# Altium PCB CT310高端控制盒核心板电路V1.3.PcbDoc (part 8 of 10) (continued)
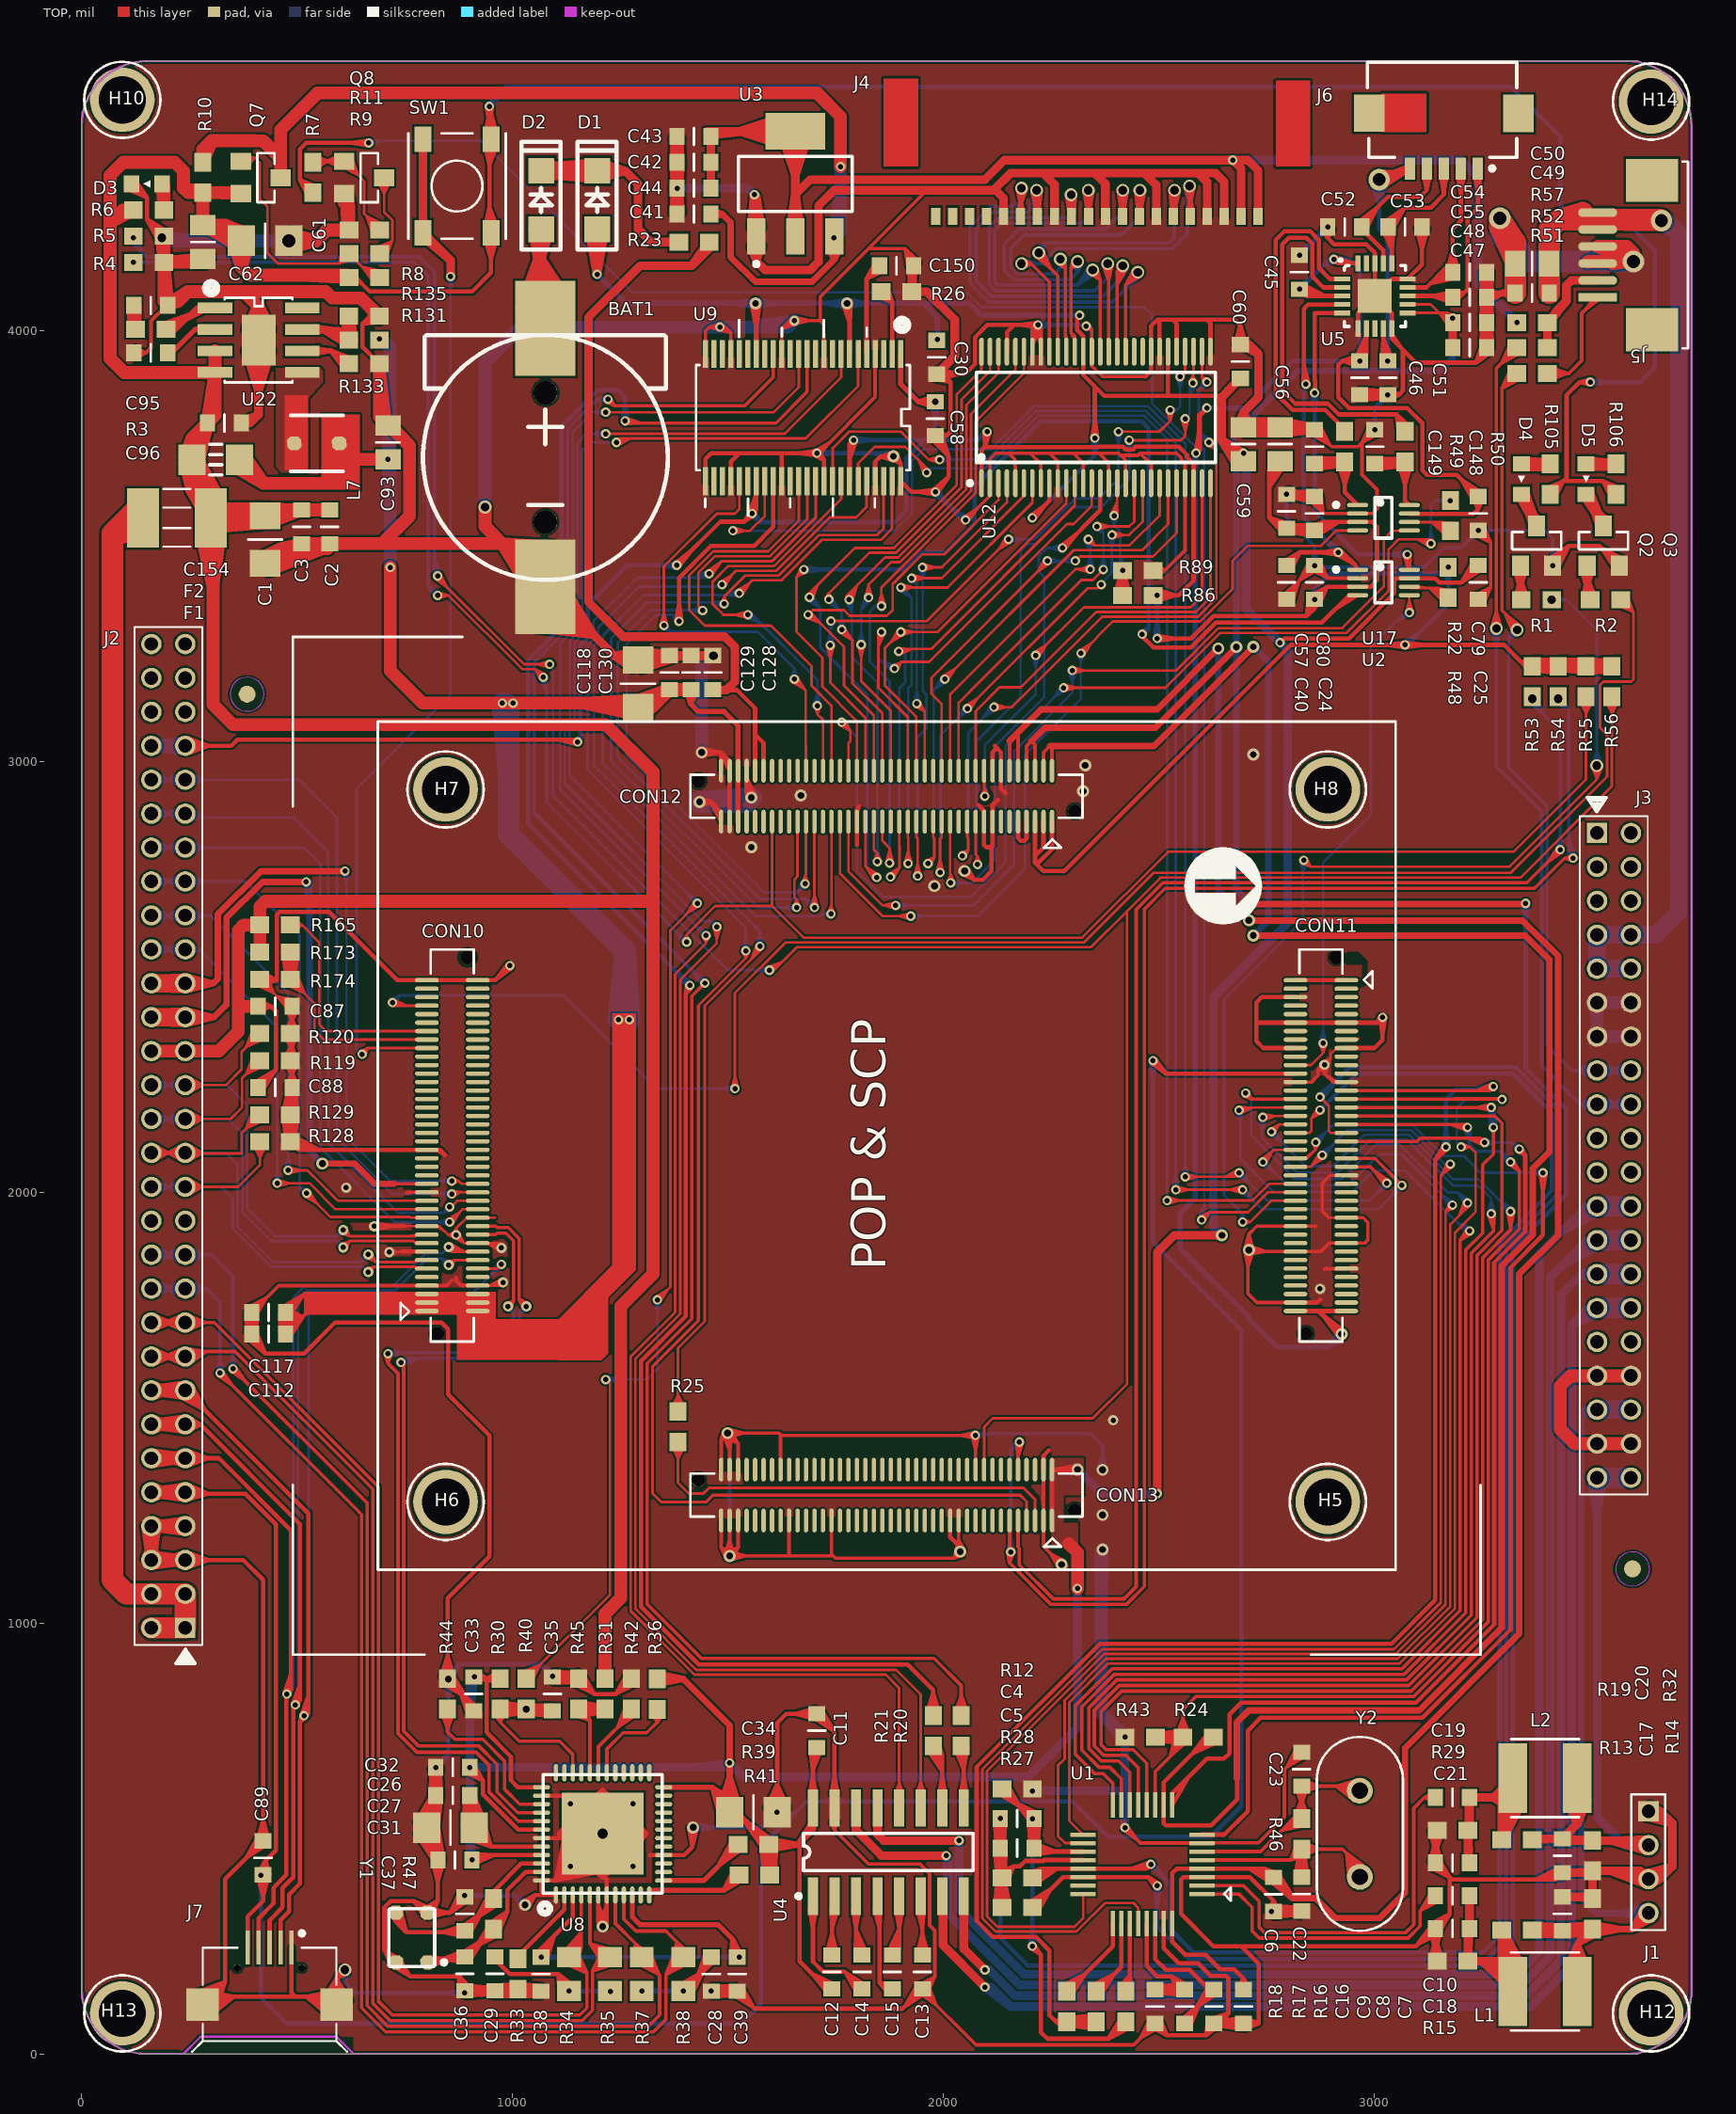
[diagram p0: TOP view]
## Nets (pads, with @x,y where several pads share a name; then routed paths per layer and width w, separated by ;. In a path a pad name is that pad's centre, name@x,y a point inside that pad or via, vN(x,y) a via of type N, cw(c..) or ccw(c..) an arc to the next point about the centre after c; other vN are vias at no path point) (continued)
  TOP w12: 1900,3876.78 U9.1@1900,3918.78 ; U9.1@1900,3945.28 1900,3875.76 1941.39,3834.37 ; C58.1@1976.96,3822.8 1941.39,3834.37 ; C58.1@1976.96,3845.94 1941.39,3834.37 ; C58.1@1978.79,3834.37 1941.39,3834.37 ; 1941.39,3834.37 v3(1980.76,3834.37) ; 1941.39,3834.37 C58.1@1979.95,3826.41 ; 1941.39,3834.37 C58.1@1979.95,3842.33 ; 1941.39,3834.37 C58.1@1979.95,3826.41 ; 1941.39,3834.37 C58.1@1979.95,3842.33 ; 1941.39,3834.37 v3(1980.76,3834.37) ; 1941.39,3834.37 C58.1@1979.95,3826.41 ; 1941.39,3834.37 C58.1@1979.95,3842.33 ; 1941.39,3834.37 v3(1980.76,3834.37) ; 1941.39,3834.37 C58.1@1979.95,3826.41 ; 1941.39,3834.37 C58.1@1979.95,3842.33 ; 1941.39,3834.37 v3(1980.76,3834.37)
  BOTTOM w10: J2.54@161.39,3035.88 J2.53@240.13,3035.88 ; J2.54@162.08,3027.29 215.01,3035.88 ; J2.54@162.08,3044.47 215.01,3035.88 ; J2.54@164.62,3017.54 215.01,3035.88 ; J2.54@164.62,3054.22 215.01,3035.88 ; J2.53@233.53,3018.47 185.17,3046.74 ; J2.53@233.53,3053.29 185.17,3025.02 ; J2.53@235.36,3017.88 186.12,3040.57 ; J2.53@235.36,3053.88 186.12,3031.19 ; J2.53@236.9,3017.54 186.51,3035.88 ; J2.53@236.9,3054.22 186.51,3035.88 ; J2.53@237.81,3027.58 185.17,3046.74 ; J2.53@237.81,3044.19 185.17,3025.02 ; J2.53@238.53,3017.33 186.12,3031.19 ; J2.53@238.53,3054.43 186.12,3040.57 ; J2.53@238.7,3027.38 186.12,3040.57 ; J2.53@238.7,3044.38 186.12,3031.19 ; J2.53@239.44,3027.29 186.51,3035.88 ; J2.53@239.44,3044.47 186.51,3035.88 ; J2.53@240.19,3027.26 186.12,3031.19 ; J2.53@240.19,3044.5 186.12,3040.57 ; J2.53@240.65,3017.27 185.17,3025.02 ; J2.53@240.65,3054.5 185.17,3046.74 ; J2.53@241.15,3027.32 185.17,3025.02 ; J2.53@241.15,3044.44 185.17,3046.74 ; v1(1150.76,3045) 1156.76,3051 1156.76,3269.73 1174.26,3287.23 1174.26,3363.5 1265.76,3455 v1(1380.76,3455) ; v1@1380.32,3449.02 1339.76,3455 v1@1380.32,3460.98 ; v1@1551.99,3570.33 1575.76,3555 ; v1(1555.76,3575) 1575.76,3555 ; v1@1560.43,3578.77 1575.76,3555 ; v1(1790.76,3745) 1955.51,3745 ; v1@1791.2,3739.02 1831.76,3745 v1@1791.2,3750.98 ; v3@1971.81,3833.45 1980.76,3790.37 v3@1989.71,3833.45 ; v3(1980.76,3834.37) 1980.76,3770.25 1955.51,3745 ; v1@2096.09,3768.77 2080.76,3745 ; v1@2104.53,3760.33 2080.76,3745 ; v1@2489.78,3285.44 2495.76,3326 v1@2501.74,3285.44 ; v1@2489.78,3384.56 2495.76,3344 v1@2501.74,3384.56 ; v1(2495.76,3285) v1(2495.76,3385) ; v1@2854.81,3376.37 2860.76,3400 ; v1(2860.76,3375.63) 2860.76,3400 ; v1@2866.71,3376.37 2860.76,3400 ; v1@3067.17,3274.8 3105.49,3299.73 ; v1@3074.95,3265.71 3105.49,3299.73 ; v1@3164.78,3449.99 3170.76,3409.43 ; v1@3165.94,3454.01 3156.33,3436 ; v1@3174.33,3445.61 3156.33,3436 ; v1@3176.74,3449.99 3170.76,3409.43 ; 185.17,3025.02 J2.53@240.13,3035.88 ; 185.17,3046.74 J2.53@240.13,3035.88 ; 186.12,3031.19 J2.53@240.13,3035.88 ; 186.12,3040.57 J2.53@240.13,3035.88 ; 215.01,3035.88 J2.53@233.23,3018.59 ; 215.01,3035.88 J2.53@233.23,3053.18 ; 215.01,3035.88 J2.53@238.65,3027.39 ; 215.01,3035.88 J2.53@238.65,3044.37 ; 215.01,3035.88 J2.53@240.13,3035.88 ; 215.01,3035.88 J2.53@233.23,3018.59 ; 215.01,3035.88 J2.53@233.23,3053.18 ; 215.01,3035.88 J2.53@238.65,3027.39 ; 215.01,3035.88 J2.53@238.65,3044.37 ; 215.01,3035.88 J2.53@240.13,3035.88 ; 215.01,3035.88 J2.53@233.23,3018.59 ; 215.01,3035.88 J2.53@233.23,3053.18 ; 215.01,3035.88 J2.53@238.65,3027.39 ; 215.01,3035.88 J2.53@238.65,3044.37 ; 215.01,3035.88 J2.53@240.13,3035.88 ; 215.01,3035.88 J2.53@233.23,3018.59 ; 215.01,3035.88 J2.53@233.23,3053.18 ; 215.01,3035.88 J2.53@238.65,3027.39 ; 215.01,3035.88 J2.53@238.65,3044.37 ; 215.01,3035.88 J2.53@240.13,3035.88 ; 1575.76,3555 1885.76,3555 1913.76,3583 1913.76,3703.25 1955.51,3745 ; 1955.51,3745 2080.76,3745 ; 2080.76,3745 v1(2100.76,3765) 2080.76,3745 ; 2860.76,3400 2896.76,3436 3156.33,3436 ; 3105.49,3299.73 v1(3070.76,3270) 3075.76,3270 3170.76,3365 v1(3170.76,3450.43) ; 3156.33,3436 v1(3170.76,3450.43) ; 3156.33,3436 v1(3170.76,3450.43) ; 3170.76,3409.43 v1(3170.76,3450.43)
VDD12_5M: CON12.7 CON12.9 | length 134.1
  TOP w10: CON12.9@2172.71,2837.36 2172.71,2821.48 ; CON12.9@2172.71,2859.86 2172.71,2821.48 ; CON12.7@2192.39,2837.36 2192.39,2820.86 ; CON12.7@2192.39,2859.86 2192.39,2820.86 ; 2172.71,2821.48 2178.61,2815.57 2187.1,2815.57 2192.39,2820.86
VDD18_A31: CON10.33
VDD18_CAM: C4.2 C5.2 C47.2 C48.2 CON12.6 CON12.8 R27.2 R28.2 U1.20 U5.11 U5.12 | length 14511.1
  TOP w6: U5.11@3076.55,4040.63 3150.13,4040.63 ; U5.12@3076.55,4060.32 3130.44,4060.32 3150.13,4040.63 ; U5.11@3089.34,4040.63 3113.25,4040.63 ; U5.12@3089.34,4060.32 3113.25,4060.32 ; C48.2@3171.09,4009.79 3150.13,4040.63 ; C48.2@3175.82,4013.6 3150.13,4040.63 ; C48.2@3177.4,4021.4 3152.89,4040.13 ; C48.2@3177.46,4021.36 3153.66,4039.37 ; C48.2@3177.65,4021.26 3152.43,4039.13 ; C48.2@3183.19,4036.13 3152.43,4039.13 ; C48.2@3183.33,4036.1 3153.66,4039.37 ; C48.2@3183.47,4036.06 3152.89,4040.13 ; C48.2@3185.26,4028.11 3150.13,4040.63 ; C48.2@3186.82,4033.98 3150.13,4040.63 ; 3150.13,4040.63 3169.09,4040.63 ; 3150.13,4040.63 C48.2@3181.39,4020.3 ; 3152.43,4039.13 v1(3181.39,4028.33) ; 3152.89,4040.13 v1(3181.39,4028.33) ; 3153.66,4039.37 v1(3181.39,4028.33) ; C48.2@3167.06,4016.96 3169.09,4040.63 ; C48.2@3167.06,4016.96 3169.09,4040.63 ; C48.2@3167.06,4016.96 3184.87,4021.13 C48.2@3167.06,4016.96 ; C48.2@3167.06,4016.96 3175.17,4033.36 C48.2@3167.06,4016.96 ; C48.2@3167.06,4016.96 v1(3181.39,4028.33) ; C48.2@3167.06,4016.96 v1(3181.39,4028.33) ; 3169.09,4040.63 v1(3181.39,4028.33) ; 3169.09,4040.63 3191,4031.44 3169.09,4040.63 ; 3169.09,4040.63 C48.2@3173.23,4017.24 ; 3169.09,4040.63 3187.89,4026.1 3169.09,4040.63 ; 3169.09,4040.63 C48.2@3181.39,4020.3 ; 3169.09,4040.63 C48.2@3173.23,4017.24 ; 3169.09,4040.63 C48.2@3181.39,4020.3 ; 3169.09,4040.63 C48.2@3174.58,4024.13 ; 3169.09,4040.63 C48.2@3185.59,4035.14 ; 3169.09,4040.63 C48.2@3174.58,4024.13 ; 3169.09,4040.63 C48.2@3185.59,4035.14 ; 3169.09,4040.63 v1(3181.39,4028.33) ; 3169.09,4040.63 C48.2@3174.58,4024.13 ; 3169.09,4040.63 C48.2@3185.59,4035.14 ; 3169.09,4040.63 v1(3181.39,4028.33) ; 3169.09,4040.63 C48.2@3174.58,4024.13 ; 3169.09,4040.63 C48.2@3185.59,4035.14 ; 3169.09,4040.63 v1(3181.39,4028.33) ; 3169.09,4040.63 C48.2@3174.58,4024.13 ; 3169.09,4040.63 C48.2@3185.59,4035.14 ; 3169.09,4040.63 v1(3181.39,4028.33) ; 3169.09,4040.63 C48.2@3174.58,4024.13 ; 3169.09,4040.63 C48.2@3185.59,4035.14 ; 3169.09,4040.63 v1(3181.39,4028.33) ; 3169.09,4040.63 C48.2@3174.58,4024.13 ; 3169.09,4040.63 C48.2@3185.59,4035.14 ; 3169.09,4040.63 v1(3181.39,4028.33) ; 3169.09,4040.63 C48.2@3174.58,4024.13 ; 3169.09,4040.63 C48.2@3185.59,4035.14 ; 3169.09,4040.63 v1(3181.39,4028.33) ; 3169.09,4040.63 C48.2@3174.58,4024.13 ; 3169.09,4040.63 C48.2@3185.59,4035.14 ; 3169.09,4040.63 v1(3181.39,4028.33) ; 3169.09,4040.63 C48.2@3174.58,4024.13 ; 3169.09,4040.63 C48.2@3185.59,4035.14 ; 3169.09,4040.63 v1(3181.39,4028.33) ; 3169.09,4040.63 C48.2@3174.58,4024.13 ; 3169.09,4040.63 C48.2@3185.59,4035.14 ; 3169.09,4040.63 v1(3181.39,4028.33) ; C48.2@3173.23,4017.24 3186.18,4021.93 C48.2@3173.23,4017.24 ; C48.2@3173.23,4017.24 3173.85,4031 C48.2@3173.23,4017.24 ; C48.2@3173.23,4017.24 v1(3181.39,4028.33) ; C48.2@3173.23,4017.24 v1(3181.39,4028.33)
  TOP w8: CON12.8@2192.39,2977.98 2192.39,3035.35 2203.61,3046.57 2212.08,3038.11 CON12.6@2212.08,2977.98 ; CON12.8@2192.39,3000.48 2192.39,3029.48 ; CON12.6@2212.08,3000.48 2212.08,3029.48
  TOP w10: R27.2@2118.69,339.25 R28.2@2123.49,389.08 ; C5.2@2118.69,476.09 R28.2@2122.84,425.94 ; R28.2@2118.76,407.16 R27.2@2131.39,358.88 ; R28.2@2118.76,410.34 C5.2@2131.39,458.63 ; C5.2@2118.83,473.52 R28.2@2132.61,427.66 ; C5.2@2118.79,473.84 R28.2@2131.39,427.81 ; C5.2@2118.97,482.18 C4.2@2135.33,527.38 ; C5.2@2119.45,471.16 R28.2@2142.87,425.62 ; R27.2@2120.68,341 R28.2@2131.39,390.04 ; R27.2@2120.7,341.33 R28.2@2132.71,392.32 ; R27.2@2123.08,343.67 R28.2@2143.77,394.48 ; C4.2@2125.42,545.68 2132.27,505.26 ; C4.2@2125.41,546.78 2124.81,505.63 ; C4.2@2125.47,545.26 2135.33,504.51 ; C4.2@2125.46,545.35 2134.59,505.34 ; C4.2@2125.6,544.69 2139.18,505.78 ; C4.2@2127.55,550.86 C4.2@2119.37,540.14 ; C4.2@2128.06,551.24 C4.2@2118.96,541.58 ; C4.2@2128.37,551.44 C4.2@2118.81,542.41 ; R28.2@2128.79,420.72 2161.58,435 ; C4.2@2129.37,551.9 C4.2@2118.69,544.9 ; C4.2@2130.17,540.37 C4.2@2143.58,540.66 ; C4.2@2130.6,540.3 C4.2@2118.69,544.9 ; C4.2@2131.26,540.25 C4.2@2144.04,542.98 ; C5.2@2131.39,477.5 2131.39,343.94 R27.2@2135.33,340 ; C5.2@2131.39,479.47 C4.2@2135.33,527.38 ; C4.2@2131.57,540.25 C4.2@2144.09,543.64 ; C4.2@2131.79,540.26 C4.2@2118.81,542.41 ; C4.2@2132.18,540.3 C4.2@2118.96,541.58 ; C4.2@2132.29,540.32 C4.2@2144.08,545.14 ; C4.2@2132.85,540.43 C4.2@2119.37,540.14 ; C4.2@2133.31,551.94 C4.2@2144.08,545.14 ; R27.2@2133.36,340 R28.2@2123.49,389.08 ; C4.2@2133.93,551.69 C4.2@2144.09,543.64 ; C4.2@2134.19,551.56 C4.2@2144.04,542.98 ; C4.2@2135.05,551.01 C4.2@2143.58,540.66 ; R28.2@2135.33,408.75 2161.58,435 ; C5.2@2135.33,477.5 2135.33,542.31 v1(2131.39,546.25) ; C4.2@2137.23,544.86 2124.81,505.63 ; R27.2@2137.3,340 R28.2@2143.77,394.48 ; R28.2@2137.3,408.75 2161.58,435 ; C4.2@2137.38,545.94 2132.27,505.26 ; C4.2@2137.35,546.95 2139.18,505.78 ; C4.2@2137.39,546.28 2134.59,505.34 ; C4.2@2137.39,546.38 2135.33,504.51 ; C5.2@2143.55,471.81 R28.2@2122.84,425.94 ; C5.2@2143.99,473.84 R28.2@2131.39,427.81 ; C5.2@2144.03,474.17 R28.2@2132.61,427.66 ; C5.2@2144.04,476.82 R28.2@2142.87,425.62 ; C5.2@2144.09,480.11 C4.2@2135.33,527.38 ; R27.2@2147.17,344.97 R28.2@2123.49,389.08 ; R28.2@2147.79,406.02 R27.2@2131.39,358.88 ; R28.2@2147.79,411.48 C5.2@2131.39,458.63 ; R27.2@2149.64,343.28 R28.2@2131.39,390.04 ; R27.2@2149.75,342.78 R28.2@2132.71,392.32 ; R28.2@2149.89,401.2 2161.58,435 ; R27.2@2151.98,340.23 R28.2@2143.77,394.48 ; 2264.24,450 U1.20@2299.16,449.84 ; U1.20@2323.77,449.84 2323.61,450 2234.17,450 2231.99,447.81 2189.78,447.81 2176.96,435 2161.58,435 ; C4.2@2118.69,544.9 C5.2@2122.46,491.84 ; C4.2@2118.69,544.9 v1(2131.39,546.25) ; C4.2@2118.81,542.41 C5.2@2132.54,493.47 ; C4.2@2118.81,542.41 v1(2131.39,546.25) ; C4.2@2118.96,541.58 C5.2@2135.33,496.32 ; C4.2@2118.96,541.58 v1(2131.39,546.25) ; C4.2@2119.37,540.14 C5.2@2140.95,497.07 ; C4.2@2119.37,540.14 v1(2131.39,546.25) ; C5.2@2122.46,491.84 C4.2@2143.58,540.66 ; C5.2@2122.46,491.84 C4.2@2131.39,544.28 ; C5.2@2122.46,491.84 2137.25,544.96 C5.2@2122.48,491.88 ; C5.2@2122.46,491.84 2125.42,546.9 C5.2@2122.48,491.88 ; C5.2@2122.46,491.84 v1(2131.39,546.25) ; C5.2@2122.48,491.88 v1(2131.39,546.25) ; R28.2@2122.84,425.94 C5.2@2131.39,475.53 ; 2124.81,505.63 v1(2131.39,546.25) ; R27.2@2131.39,358.88 2133.36,408.75 C5.2@2131.39,458.63 ; R28.2@2131.39,390.04 R27.2@2135.33,340 ; R28.2@2131.39,427.81 C5.2@2131.39,475.53 ; C5.2@2131.39,475.53 R28.2@2132.61,427.66 ; C5.2@2131.39,475.53 R28.2@2142.87,425.62 ; C4.2@2131.39,544.28 C5.2@2135.33,496.32 ; C4.2@2131.39,544.28 C5.2@2140.95,497.07 ; C4.2@2131.39,544.28 C5.2@2132.54,493.47 ; v1(2131.39,546.25) 2135.33,504.51 ; v1(2131.39,546.25) C4.2@2144.09,543.64 ; v1(2131.39,546.25) C5.2@2135.33,496.32 ; v1(2131.39,546.25) C5.2@2135.33,496.32 ; v1(2131.39,546.25) 2134.59,505.34 ; v1(2131.39,546.25) C4.2@2143.58,540.66 ; v1(2131.39,546.25) C4.2@2144.08,545.14 ; v1(2131.39,546.25) C5.2@2140.95,497.07 ; v1(2131.39,546.25) C5.2@2140.95,497.07 ; v1(2131.39,546.25) 2139.18,505.78 ; v1(2131.39,546.25) C4.2@2144.04,542.98 ; v1(2131.39,546.25) C5.2@2132.54,493.47 ; v1(2131.39,546.25) C5.2@2132.54,493.47 ; v1(2131.39,546.25) 2132.27,505.26 ; C5.2@2132.54,493.47 C4.2@2144.04,542.98 ; C5.2@2132.54,493.47 2137.39,546.04 C5.2@2132.54,493.47 ; C5.2@2132.54,493.47 2125.41,545.78 C5.2@2132.54,493.47 ; R28.2@2132.71,392.32 R27.2@2135.33,340 ; C5.2@2135.33,496.32 C4.2@2144.09,543.64 ; C5.2@2135.33,496.32 2137.39,546.36 C5.2@2135.33,496.32 ; C5.2@2135.33,496.32 2125.45,545.42 C5.2@2135.33,496.32 ; C5.2@2140.95,497.07 C4.2@2144.08,545.14 ; C5.2@2140.95,497.07 2137.34,547.04 C5.2@2140.95,497.07 ; C5.2@2140.95,497.07 2125.58,544.76 C5.2@2140.95,497.07
  TOP w15: 2203.61,3046.57 2234.61,3077.57 2491.72,3077.57 v3(2679.17,3265.02) 2633.35,3219.2 ; v3(2712.14,2668.81) 3349.57,2668.81 v1(3350.76,2670) 3294.69,2668.81
  TOP w20: C47.2@3181.39,3961.97 v1(3181.39,4028.33) 3181.39,3970 3181.39,4016.36 C47.2@3181.39,3961.97
  BOTTOM w10: v1@2125.41,545.81 2131.39,505.25 v1@2137.37,545.81 ; v1(2131.39,546.25) 2131.39,269.37 2195.76,205 3275.76,205 3320.76,250 3320.76,1870 3443.76,1993 3443.76,2194.43 3350.76,2287.43 v1(3350.76,2670) ; v1@3344.78,2669.56 3350.76,2629 v1@3356.74,2669.56
  BOTTOM w15: 2679.17,3206.02 v3(2679.17,3265.02) ; v1(3181.39,4028.33) 3181.39,3935.63 3151.63,3905.87 2821.63,3905.87 2672.26,3756.5 2672.26,3705.27 2679.17,3698.36 v3(2679.17,3265.02) ; 2679.17,2701.78 v3(2712.14,2668.81) 2679.17,2701.78 ; 2679.17,2701.78 v3(2679.17,3265.02)
VDD28_AF: CON12.2 CON12.4 R24.2 U1.10 | length 5369.2
  TOP w8: CON12.4@2231.76,2977.98 2231.76,3020.72 ; CON12.4@2231.76,3000.48 2231.76,3020.72 ; CON12.2@2251.45,2977.98 2251.45,3030.74 2246.61,3035.57 2231.76,3020.72 ; CON12.2@2251.45,3000.48 2251.45,3029.48
  TOP w10: U1.10@2510.78,553.19 2510.78,534.98 ; U1.10@2510.78,602.4 2510.78,630.02 ; R24.2@2613.6,745.14 2578.52,697.76 ; R24.2@2624.22,735 2578.52,697.76 ; R24.2@2626.19,735 2615.76,735 2510.78,630.02 ; R24.2@2632.01,722.55 2578.52,697.76 ; 2680.76,640 2680.76,590 2620.76,530 2515.76,530 2510.78,534.98 ; 2510.78,534.98 U1.10@2510.78,577.79 2510.78,630.02
  TOP w15: 2246.61,3035.57 2488.61,3035.57 v3(2718.61,3265.57) 2672.79,3219.75 ; 2680.76,640 2680.76,770 2708.26,797.5 3103.51,797.5 3295.15,989.14 3295.15,1829.14 3367.26,1901.25 3367.26,2054.73 3405.76,2093.23 3405.76,2540 3350.19,2595.57 v3(2718.61,2595.57)
  BOTTOM w15: v3(2718.61,2595.57) 2753.61,2630.57 2753.61,3230.57 v3(2718.61,3265.57)
VDD28_CAM: C6.2 C7.2 CON12.10 CON12.12 U1.4 U1.32 | length 6363.4
  TOP w8: CON12.12@2153.02,2977.98 2153.02,3046.98 ; CON12.12@2153.02,3000.48 2153.02,3029.48 ; CON12.10@2172.71,2977.98 2172.71,3066.67 ; CON12.10@2172.71,3000.48 2172.71,3029.48
  TOP w10: U1.32@2530.46,277.6 2530.46,260.3 ; U1.32@2530.46,326.81 2530.46,361.73 ; U1.4@2574.76,430.16 2540.92,430.16 ; U1.4@2623.97,430.16 2658.89,430.16 ; C7.2@2683.44,152.52 2695.76,175 ; C7.2@2695.76,149.37 2695.76,175 ; C7.2@2708.08,152.52 2695.76,175 ; C6.2@2758.03,398.03 2708.86,430.16 ; C6.2@2765.76,409.37 2744.97,430.16 ; C6.2@2766.98,421.68 2708.86,430.16 ; 2530.46,260.3 U1.32@2530.46,302.2 2530.46,419.7 2540.92,430.16 ; 2530.46,260.3 2560.76,230 2607.76,230 2641.76,196 2674.76,196 2695.76,175 ; 2540.92,430.16 U1.4@2599.36,430.16 2744.97,430.16 ; 2708.86,430.16 C6.2@2763.79,409.37 ; 2744.97,430.16 2752.67,403.2 2744.97,430.16 ; 2744.97,430.16 2771.04,419.82 2744.97,430.16 ; 2744.97,430.16 C6.2@2763.79,409.37 ; 2744.97,430.16 C6.2@2763.79,409.37
  TOP w15: 2153.02,3046.98 2172.71,3066.67 2226.61,3120.57 2495.83,3120.57 v3(2637.22,3261.96) 2591.4,3216.14 ; v3(2708.61,2630.57) 3343.47,2630.57 3425.76,2548.28 3425.76,1900 3335.76,1810 3335.76,975 3070.76,710 3070.76,375 3010.76,315 2909.42,315 2862.95,361.48 2809.28,361.48 ; C6.2@2760.58,402.07 2809.28,361.48 ; C6.2@2765.76,409.37 2765.76,405 2809.28,361.48 ; C6.2@2767.73,409.37 2809.28,361.48 ; C6.2@2775.96,415.42 2809.28,361.48
  BOTTOM w15: v3(2637.22,3261.96) 2637.22,2701.96 v3(2708.61,2630.57) 2662.79,2676.39
VDD33_A31: CON11.1 CON11.2 | length 188.1
  TOP w10: CON11.2@2816.4,2491.75 CON11.1@2934.52,2491.75 ; CON11.2@2838.9,2491.75 2873.9,2491.75 ; 2877.02,2491.75 CON11.1@2912.02,2491.75
VDD33_LCD: C45.2 C46.2 C79.1 CON11.79 CON11.80 U5.3 U5.7 U5.20 U17.7 | length 7680.1
  TOP w10: CON11.80@2816.4,1724.04 2870.15,1724.04 ; C45.2@2819.93,4094.22 C45.2@2825.7,4083.08 ; C45.2@2821.31,4099.65 C45.2@2832.4,4107.46 ; C45.2@2822.13,4090.85 C45.2@2841.39,4080 ; C45.2@2824.12,4089.86 2866.58,4080.94 ; C45.2@2824.67,4089.73 2865.81,4085.16 ; C45.2@2824.78,4089.71 2876.74,4084.12 ; C45.2@2827.42,4101.4 2876.74,4084.12 ; C45.2@2827.73,4095.63 2884.56,4080 ; C45.2@2827.7,4101.31 2865.81,4085.16 ; C45.2@2828.18,4101.12 2866.58,4080.94 ; C45.2@2830.54,4099.26 C45.2@2841.39,4080 ; C45.2@2831.51,4093.92 C45.2@2832.4,4107.46 ; C45.2@2831.58,4094.17 C45.2@2825.7,4083.08 ; CON11.80@2838.9,1724.04 2870.15,1724.04 ; 2876.27,4080 U5.3@2912.18,4080 ; 2877.02,1724.04 CON11.79@2912.02,1724.04 ; v1@2904.91,4159.06 2949.01,4155.79 ; v1@2907.41,4170.77 2949.01,4155.79 ; U5.3@2924.97,4080 C45.2@2841.39,4080 ; 2925.48,4155.79 U5.20@2961.39,4155.79 2914.97,4155.79 v1(2905.76,4165) 2949.01,4155.79 ; CON11.79@2934.52,1724.04 2870.15,1724.04 ; C46.2@2955.73,3933.58 U5.7@2981.07,3986.62 ; C46.2@2959.78,3928.87 C46.2@2961.7,3941.91 ; C46.2@2959.78,3929.87 C46.2@2961.7,3916.83 ; C46.2@2959.98,3930.97 2974.98,3973.86 ; C46.2@2960.12,3931.41 2977.05,3969.34 ; C46.2@2960.29,3931.83 2980.87,3970.34 ; C46.2@2962.15,3934.16 C46.2@2981.07,3944.68 ; C46.2@2963.79,3929.37 2925.13,3929.37 ; C46.2@2966.37,3923.4 C46.2@2980.35,3927.84 ; C46.2@2967.59,3935.08 C46.2@2980.35,3927.84 ; C46.2@2967.73,3929.37 U5.7@2981.07,3986.62 ; C46.2@2970.55,3925.76 C46.2@2981.07,3944.68 ; C46.2@2970.9,3926.27 C46.2@2961.7,3916.83 ; C46.2@2970.9,3932.47 C46.2@2961.7,3941.91 ; C46.2@2971.52,3927.69 2980.87,3970.34 ; C46.2@2971.64,3928.16 2977.05,3969.34 ; C46.2@2971.7,3928.54 2974.98,3973.86 ; 2981.07,3955.51 U5.7@2981.07,3991.42 ; U5.7@2981.07,4004.21 C46.2@2981.07,3944.68 ; U17.7@3080.8,3574.84 3081.86,3573.78 3229.54,3573.78 3240.76,3585 ; U17.7@3100.48,3574.84 3135.42,3573.78 ; C79.1@3228.35,3611.62 3240.76,3585 ; C79.1@3228.6,3606.77 3201.83,3653.3 ; C79.1@3238.79,3614.37 3201.83,3653.3 ; C79.1@3246.91,3624.16 3201.83,3653.3 ; C79.1@3253.17,3611.62 3240.76,3585 ; C45.2@2825.7,4083.08 2884.56,4080 ; C45.2@2825.7,4083.08 v1(2825.76,4095.63) ; v1(2825.76,4095.63) C45.2@2841.39,4080 ; v1(2825.76,4095.63) 2876.74,4084.12 ; v1(2825.76,4095.63) C45.2@2832.4,4107.46 ; v1(2825.76,4095.63) 2866.58,4080.94 ; v1(2825.76,4095.63) 2865.81,4085.16 ; C45.2@2832.4,4107.46 2884.56,4080 ; 2925.13,3929.37 v1(2965.76,3929.37) ; 2925.13,3929.37 2915.76,3920 2915.76,3845 2940.76,3820 3075.76,3820 3110.76,3785 3110.76,3675 3121.39,3664.37 3190.76,3664.37 C79.1@3240.76,3614.37 3240.76,3585 ; 2925.13,3929.37 C46.2@2961.7,3916.83 ; 2925.13,3929.37 C46.2@2961.7,3941.91 ; 2925.13,3929.37 C46.2@2965.32,3923.39 ; 2925.13,3929.37 C46.2@2965.32,3935.35 ; 2925.13,3929.37 C46.2@2965.32,3923.39 ; 2925.13,3929.37 C46.2@2965.32,3935.35 ; 2925.13,3929.37 v1(2965.76,3929.37) ; 2925.13,3929.37 C46.2@2965.32,3923.39 ; 2925.13,3929.37 C46.2@2965.32,3935.35 ; 2925.13,3929.37 v1(2965.76,3929.37) ; 2925.13,3929.37 C46.2@2965.32,3923.39 ; 2925.13,3929.37 C46.2@2965.32,3935.35 ; 2925.13,3929.37 v1(2965.76,3929.37) ; C46.2@2961.7,3916.83 v1(2965.76,3929.37) ; C46.2@2961.7,3941.91 v1(2965.76,3929.37) ; v1(2965.76,3929.37) C46.2@2981.07,3944.68 ; v1(2965.76,3929.37) 2980.87,3970.34 ; v1(2965.76,3929.37) C46.2@2980.35,3927.84 ; v1(2965.76,3929.37) 2977.05,3969.34 ; v1(2965.76,3929.37) 2974.98,3973.86 ; C46.2@2980.35,3927.84 U5.7@2981.07,3986.62
  TOP w12: 2593.76,3764.04 v1(2585.76,3715) 2593.76,3723 2593.76,3803 v1(2610.76,3820) ; 2870.15,1724.04 v3(2923.61,1670.57) ; v3@2917.57,1665.33 2884.16,1710.03 v3@2928.85,1676.62
  BOTTOM w10: v1@2821.81,4100.14 2857.97,4127.84 v1@2830.27,4091.68 ; v1(2825.76,4095.63) 2884.13,4154 ; v1@2902.4,4169.97 2884.13,4154 ; v1@2906.27,4159.02 2940.76,4165 ; v1@2906.27,4170.98 2940.76,4165 ; v1@2907.8,4159.36 2884.13,4154 ; v1@2959.78,3929.81 2965.76,3970.37 v1@2971.74,3929.81 ; v1(2965.76,3929.37) 2965.76,4140 2940.76,4165 ; 2884.13,4154 2894.76,4154 v1(2905.76,4165) ; 2884.13,4154 v1(2905.76,4165) ; v1(2905.76,4165) 2940.76,4165
  BOTTOM w12: 2583.61,3667.75 v1(2585.76,3715) 2583.61,3712.85 2583.61,1985.57 2548.61,1950.57 2548.61,1869.77 2706.76,1711.63 2706.76,1707.42 2774.18,1640 2893.04,1640 ; v1(2610.76,3820) 2700.76,3820 2810.13,3929.37 v1(2965.76,3929.37) ; v3@2917.46,1675.68 2893.04,1640 ; v3(2923.61,1670.57) 2893.04,1640 ; v3@2928.72,1664.42 2893.04,1640
VDD50_EN: CON10.73 R2.2 | length 4531.5
  TOP w6: v2@719.96,2432.04 753.37,2432.69 ; v2@723.43,2447.54 753.37,2432.69 ; 755.16,2432.69 CON10.73@778.16,2432.69 ; CON10.73@800.66,2432.69 728.07,2432.69 v2(720.76,2440) 753.37,2432.69 ; v1@1507.84,2241.1 1515.76,2269 v1@1523.68,2241.1 ; v1@1520.76,2240 v1(1515.76,2240) 1515.76,2461.87 1633.38,2579.49 2325.8,2579.49 2487.32,2741 3316.19,2741 3539.76,2964.57 3539.76,3061 3523.07,3077.69 3523.07,3177.31 3530.76,3185 3595.76,3185 3600.76,3190 3600.76,3345.43 ; R2.2@3563.57,3361.34 3600.76,3345.43 ; R2.2@3566.38,3366.74 3600.76,3345.43 ; R2.2@3569.93,3371.61 3600.76,3345.43 ; R2.2@3571.19,3375 3600.76,3345.43 ; R2.2@3573.16,3375 3600.76,3345.43 ; R2.2@3576.77,3377.99 3600.76,3345.43 ; R2.2@3581.87,3381.2 3600.76,3345.43 ; R2.2@3587.44,3383.62 3600.76,3345.43
  BOTTOM w6: v2@716.15,2446.54 737.33,2456.57 ; v2(720.76,2440) 737.33,2456.57 ; v2@727.3,2435.39 737.33,2456.57 ; v1@1514.5,2232.1 1486.75,2240.57 ; v1@1514.81,2247.94 1486.75,2240.57 ; v1(1515.76,2240) 1486.75,2240.57 ; v1@1515.76,2240.57 1333.61,2240.57 1117.61,2456.57 737.33,2456.57
VDD_ETHNET_1.8: C38.1 C39.1 U8.3 U8.10 | length 2369.1
  TOP w10: C38.1@1057.43,231.83 1095.31,273.27 ; C38.1@1060.06,222.51 C38.1@1058.61,236.57 ; C38.1@1060.89,227.87 1088.34,260.91 ; C38.1@1061.05,228.09 1092.18,262.66 ; C38.1@1064.92,218.43 C38.1@1079.44,219.42 ; C38.1@1067.73,224.37 1095.31,273.27 ; C38.1@1068.92,229.47 C38.1@1079.44,219.42 ; C38.1@1070.18,228.43 C38.1@1058.61,236.57 ; C38.1@1070.91,221.29 1092.18,262.66 ; C38.1@1071.07,221.58 1088.34,260.91 ; C38.1@1071.16,221.76 1090.34,268.3 ; C38.1@1071.2,221.84 1088.2,265.49 ; 1139.72,318.84 U8.3@1139.72,353.84 ; U8.3@1139.72,368.84 1139.72,317.67 C38.1@1058.61,236.57 ; C38.1@1058.61,236.57 v1(1065.76,224.37) ; v1(1065.76,224.37) 1088.2,265.49 ; v1(1065.76,224.37) 1092.18,262.66 ; v1(1065.76,224.37) C38.1@1079.44,219.42 ; v1(1065.76,224.37) 1088.34,260.91 ; v1(1065.76,224.37) 1090.34,268.3 ; C38.1@1079.44,219.42 1095.31,273.27 ; 1088.2,265.49 1060.69,227.58 1090.34,268.3
  TOP w12: U8.10@1277.51,353.84 1277.51,317.67 ; U8.10@1277.51,368.84 1277.51,317.67 ; C39.1@1507.09,223.75 1510.76,265 ; C39.1@1507.14,223.16 1510.76,245 ; C39.1@1528.2,231.36 1510.76,245 ; C39.1@1529.85,228.25 1510.76,265 ; 1277.51,317.67 1295.18,300 1475.76,300 1510.76,265 ; 1510.76,245 1510.76,265 ; 1510.76,245 1518.79,224.37 1510.76,265 ; 1510.76,245 v1(1525.76,225) ; 1510.76,245 v1(1525.76,225) ; 1510.76,265 v1(1525.76,225) ; 1510.76,265 v1(1525.76,225)
  BOTTOM w10: v1(1065.76,224.37) 1525.13,224.37 v1(1525.76,225) 1484.74,224.37 ; v1@1066.2,218.39 1106.76,224.37 v1@1066.2,230.35 ; v1@1525.23,230.98 1484.74,224.37 ; v1@1525.41,219.01 1484.74,224.37
VDD_TF: CON10.31 J2.37 J2.38 | length 2488.6
  TOP w8: 725.36,2019.31 CON10.31@800.66,2019.31 ; 749.16,2019.31 CON10.31@778.16,2019.31
  TOP w15: J2.38@161.39,2405.96 J2.37@240.13,2405.96 ; J2.38@163.28,2389.95 230.01,2405.96 J2.38@163.28,2421.97 ; J2.37@235.09,2390.65 J2.38@172.28,2419.81 ; J2.37@235.09,2421.27 J2.38@172.28,2392.11 ; J2.37@238.24,2389.95 171.51,2405.96 J2.37@238.24,2421.97 ; J2.37@241.49,2389.9 J2.38@172.28,2392.11 ; J2.37@241.49,2422.02 J2.38@172.28,2419.81 ; J2.37@242.08,2389.96 306.72,2405.96 ; J2.37@242.08,2421.96 306.72,2405.96 ; v1(520.76,2720) 419.04,2720 335.76,2636.72 335.76,2435 306.72,2405.96 ; v3(558.23,2066.19) 633,2066.19 679.87,2019.31 725.36,2019.31 ; J2.38@172.28,2392.11 J2.37@240.13,2405.96 ; J2.38@172.28,2419.81 J2.37@240.13,2405.96 ; J2.37@240.13,2405.96 306.72,2405.96
  BOTTOM w15: v1(520.76,2720) 528.61,2661.56 ; v1@528.61,2720 528.61,2095.81 ; 528.61,2095.81 v3(558.23,2066.19) 528.61,2095.81